# Altium PCB MCH_MAIN.PCBDOC (part 10 of 14) (continued)
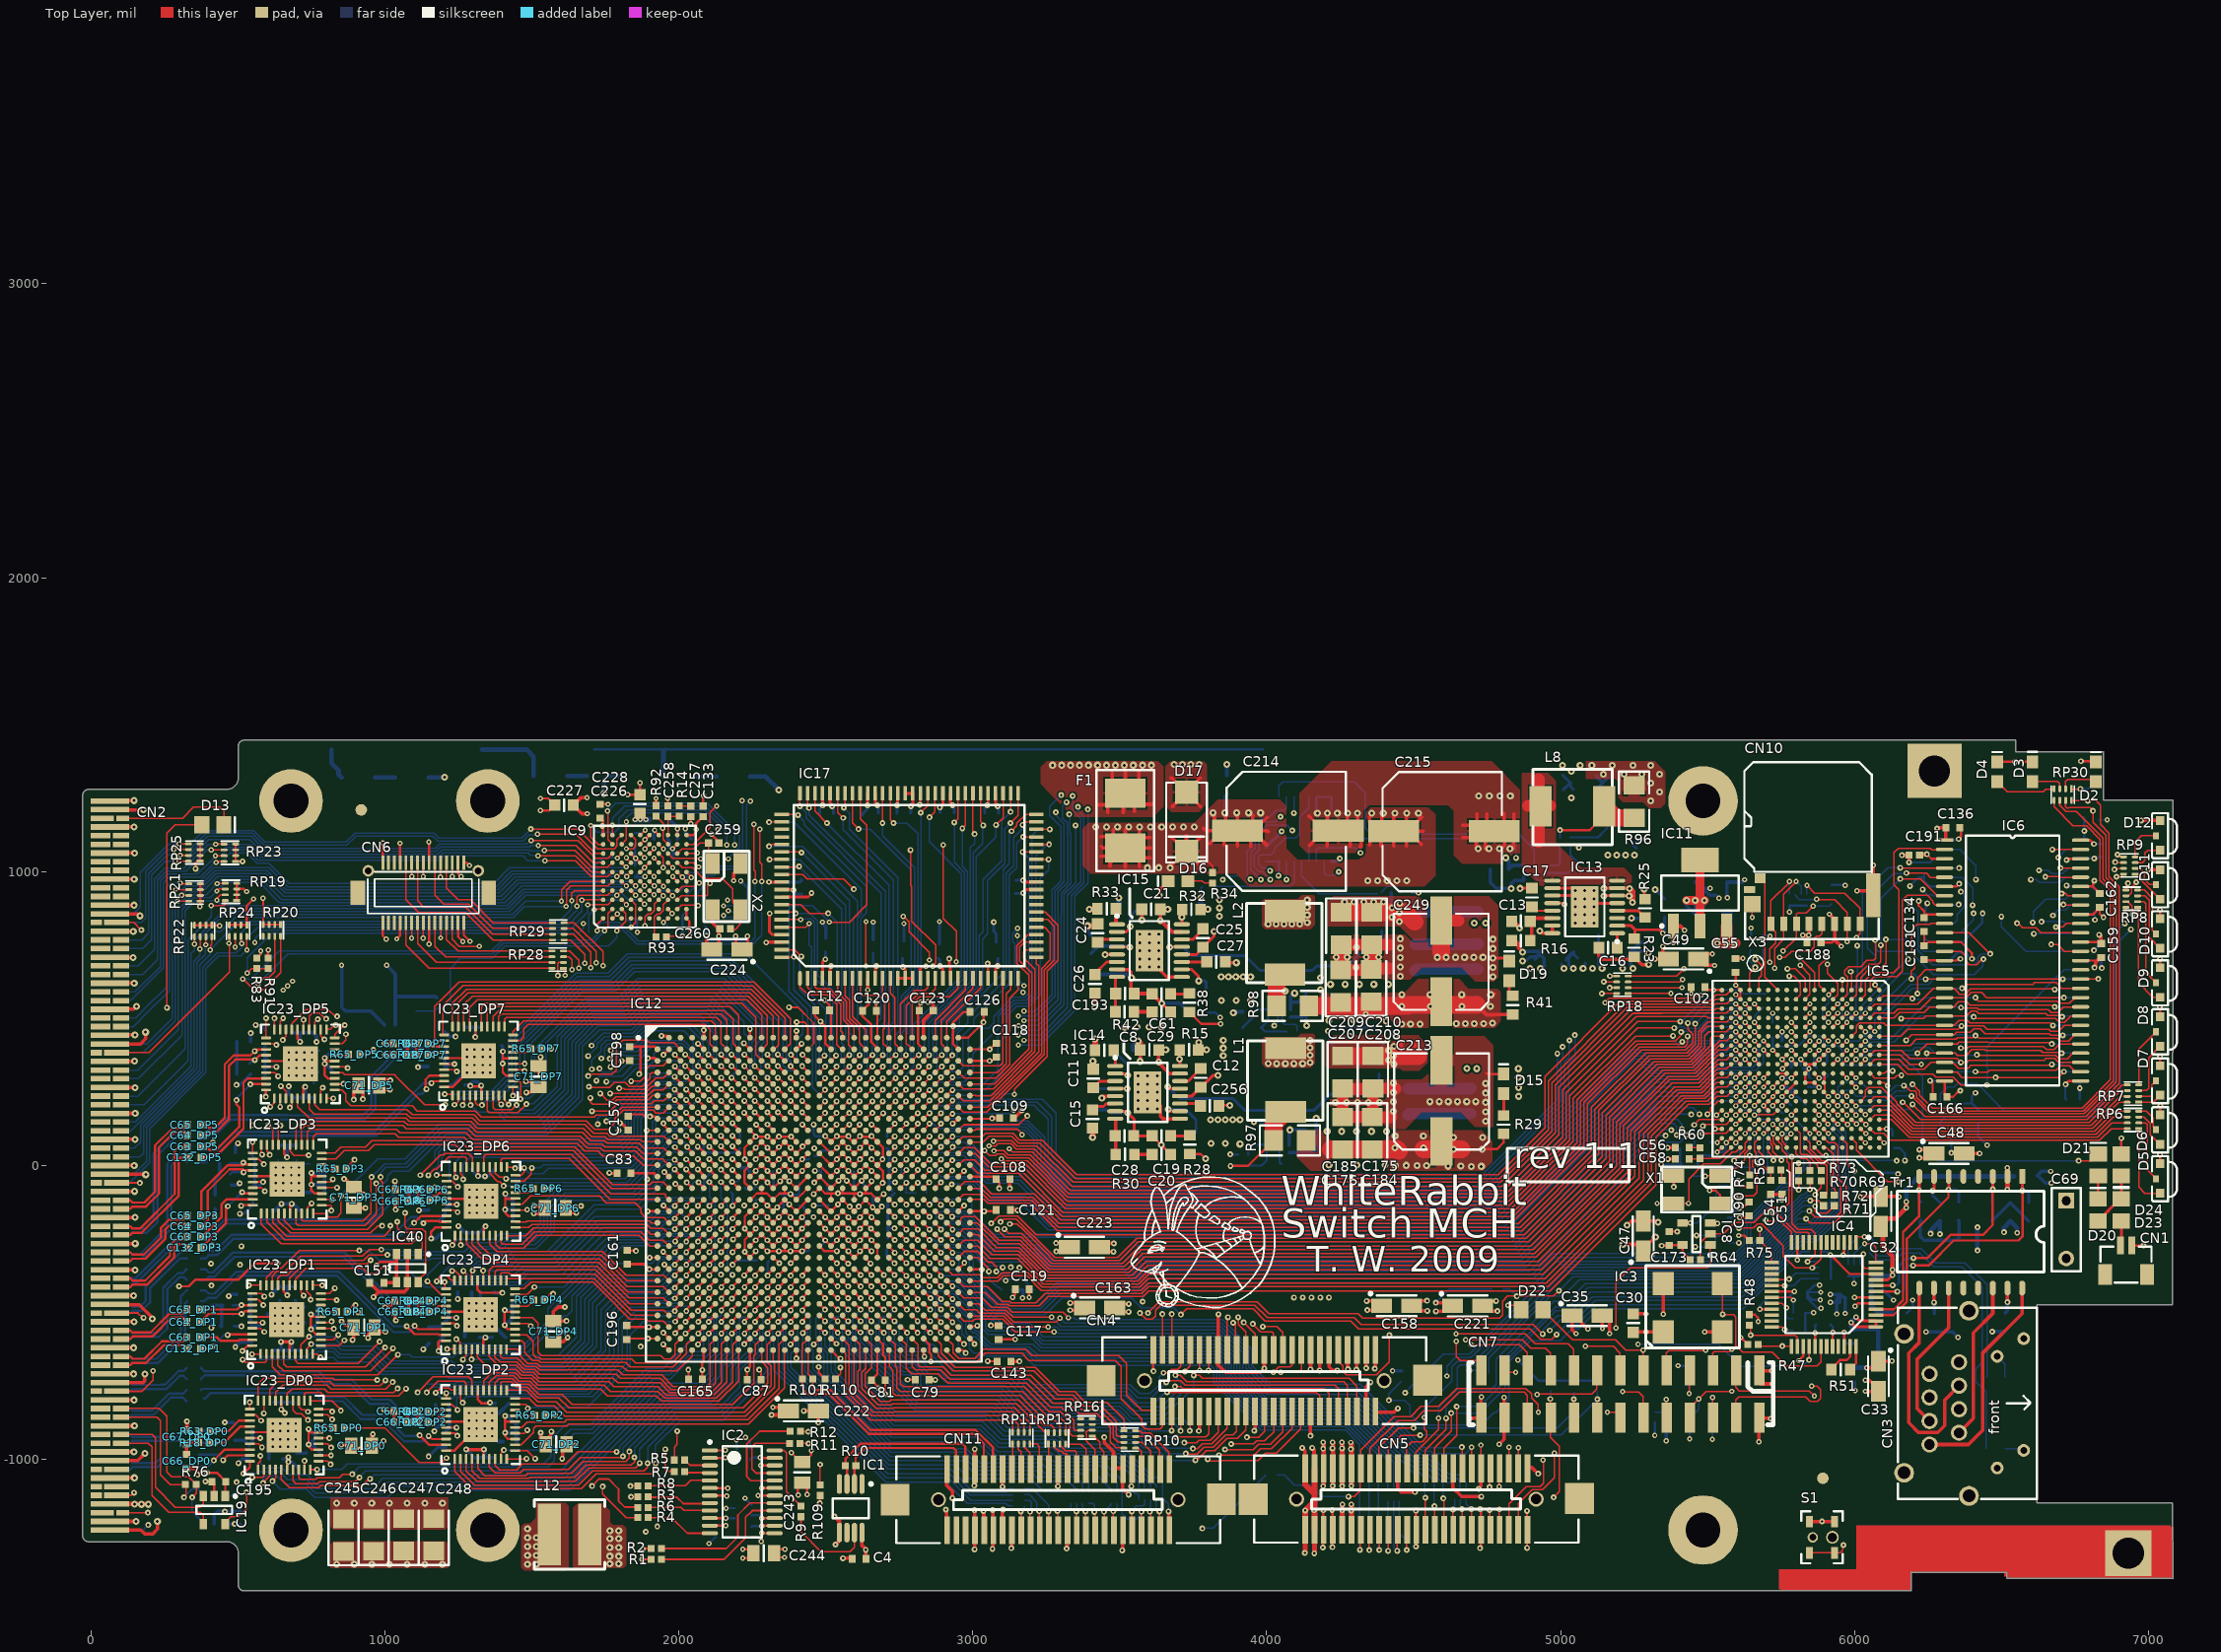
[diagram p0: Top Layer view]
## Nets (pads, with @x,y where several pads share a name; then routed paths per layer and width w, separated by ;. In a path a pad name is that pad's centre, name@x,y a point inside that pad or via, vN(x,y) a via of type N, cw(c..) or ccw(c..) an arc to the next point about the centre after c; other vN are vias at no path point) (continued)
IPMBL_SCL6: CN2.103 IC9.A7 RP25.8 | length 2023.5
  Top Layer w5: v2(287,1034.9) 287.47,1035.37 RP25.8@332.31,1035.37 ; v2(1522,1088.9) 1650,1088.9 1666.5,1072.4 ; 1663,1075.9 1666.5,1072.4 ; IC9.A7@1743,1029.88 1709.02,1029.88 1666.5,1072.4
  Bottom Layer w5: CN2.103@102.37,738.17 176.67,738.17 206.3,767.8 206.3,988.2 253,1034.9 v2(287,1034.9) 326.28,1034.9 400.78,1109.4 541.07,1109.4 581.57,1068.9 1174.69,1068.9 1189.69,1083.9 1492,1083.9 1497,1088.9 v2(1522,1088.9)
IPMBL_SCL7: CN2.100 IC9.A8 RP25.6 | length 1996
  Top Layer w5: v2(283,1074.9) 283.16,1074.74 RP25.6@332.31,1074.74 ; v2(1519,1127.9) 1650,1127.9 1671.5,1106.4 ; 1662,1115.9 1671.5,1106.4 ; IC9.A8@1743,1061.37 1716.53,1061.37 1671.5,1106.4
  Bottom Layer w5: CN2.100@102.37,826.75 172.03,826.75 186.3,841.02 186.3,999.2 262,1074.9 v2(283,1074.9) 338,1074.9 393,1129.9 548.86,1129.9 588.86,1089.9 871.3,1089.9 902.8,1121.4 1163.05,1121.4 1180.55,1103.9 1470.14,1103.9 1490.14,1123.9 1515,1123.9 v2(1519,1127.9)
IPMBL_SDA0: CN2.120 IC9.E3 RP19.7 | length 2446.3
  Top Layer w5: v2@430,900.9 430,908.9 442.16,921.06 RP19.7@457.31,921.06 ; IC9.E3@1868.98,903.89 v2(1884,888.9)
  Bottom Layer w5: CN2.120@102.37,236.2 160.1,236.2 321,397.1 321,866.14 355.76,900.9 v2@430,900.9 ; v2(429,902.9) v2@430.43,901.47 ; v2@430,901.04 v2@430.43,901.47 ; v2(1884,888.9) 1868.5,904.4 1828,904.4 1797,935.4 1750,935.4 1745.5,939.9 1470.72,939.9 1415.63,884.81 447.09,884.81 v2@430.43,901.47
IPMBL_SDA1: CN2.117 IC9.C5 RP19.5 | length 2339.1
  Top Layer w5: v2(430,958.9) 431.53,960.43 RP19.5@457.31,960.43 ; IC9.C5@1805.99,966.88 1805.99,966.32 1822,950.32 v2(1822,950.9)
  Bottom Layer w5: CN2.117@102.37,324.78 160.08,324.78 297,461.7 297,870.42 347.48,920.9 392,920.9 v2(430,958.9) 444,972.9 581.4,972.9 649.49,904.81 1400.42,904.81 1456.6,960.99 1760.91,960.99 1765.25,956.65 1816.25,956.65 v2(1822,950.9) v2@1819,953.9
IPMBL_SDA2: CN2.114 IC9.C6 RP21.7 | length 2271.7
  Top Layer w5: v2(309,919.9) 332.47,919.9 RP21.7@333.31,919.06 ; v2@1790.51,982.9 IC9.C6@1805.99,998.38
  Bottom Layer w5: CN2.114@102.37,413.37 189.47,413.37 277,500.9 277,907.9 289,919.9 v2(309,919.9) 330,940.9 374.52,940.9 426.52,992.9 595,992.9 660.6,927.3 1389.51,927.3 1443.2,980.99 1758.09,980.99 1761,983.9 1764,983.9 ; 1772,983.9 1764,983.9 ; v2(1790,982.9) 1789,983.9 1764,983.9
IPMBL_SDA3: CN2.111 IC9.C7 RP21.5 | length 2266.3
  Top Layer w5: v2(304,960.9) 306.47,958.43 RP21.5@333.31,958.43 ; IC9.C7@1805.99,1029.88 v2@1821.97,1013.9
  Bottom Layer w5: CN2.111@102.37,501.95 152.85,501.95 192.4,541.5 ; 194.4,543.5 192.4,541.5 ; 498,1012.9 489,1012.9 ; 511,1012.9 523,1012.9 ; v2@1820,1015.9 v2@1822,1013.9 ; v2(1821.94,1015.9) 1822,1015.84 v2@1822,1013.9 ; 192.4,541.5 256.3,605.4 256.3,946.2 271,960.9 v2(304,960.9) 366.24,960.9 418.24,1012.9 489,1012.9 ; 489,1012.9 523,1012.9 ; 523,1012.9 605.3,1012.9 669.7,948.5 1378.9,948.5 1431.39,1000.99 1715.09,1000.99 1728,1013.9 v2@1822,1013.9
IPMBL_SDA4: CN2.108 IC9.B6 RP23.7 | length 2125.8
  Top Layer w5: v2(424,1053.9) 424.16,1054.06 RP23.7@447.31,1054.06 ; v2(1545,1036.9) 1568,1036.9 ; 1564,1036.9 1568,1036.9 ; IC9.B6@1774.5,998.38 1773.75,998.38 1758.27,982.9 1702,982.9 1648,1036.9 1568,1036.9
  Bottom Layer w5: CN2.108@102.37,590.53 150.43,590.53 236.3,676.4 236.3,967.34 260.86,991.9 363.28,991.9 424,1052.62 v2(424,1053.9) 443.14,1053.9 462.14,1072.9 535.15,1072.9 569.15,1038.9 1187.12,1038.9 1201.12,1052.9 1471,1052.9 1486.5,1037.4 1544.5,1037.4 v2(1545,1036.9)
IPMBL_SDA5: CN2.105 IC9.B7 RP23.5 | length 2175.6
  Top Layer w5: v2(425,1092.9) 425.53,1093.43 RP23.5@453.31,1093.43 ; v2(1543,1071.9) 1647,1071.9 1704.4,1014.5 1758.37,1014.5 1773.75,1029.88 IC9.B7@1774.5,1029.88
  Bottom Layer w5: CN2.105@102.37,679.11 161.19,679.11 216.3,734.23 216.3,975.63 252.57,1011.9 318,1011.9 399,1092.9 v2(425,1092.9) ; 504,1092.9 v2(425,1092.9) ; 1483,1073.9 1459,1073.9 ; 1525,1070.9 1518,1070.9 ; v2(1543,1071.9) 1542,1070.9 1518,1070.9 ; v2(425,1092.9) 543.43,1092.9 577.43,1058.9 1178.83,1058.9 1193.83,1073.9 1459,1073.9 ; 1459,1073.9 1491,1073.9 1494,1070.9 1518,1070.9
IPMBL_SDA6: CN2.102 IC9.B8 RP25.7 | length 2051.8
  Top Layer w5: v2@305,1056.9 306.84,1055.06 RP25.7@332.31,1055.06 ; v2(1498,1105.9) 1521,1105.9 ; 1515,1105.9 1521,1105.9 ; 1664.86,1098.9 1672.93,1090.83 ; IC9.B8@1774.5,1061.37 1759.12,1046 1717.76,1046 1672.93,1090.83 ; 1521,1105.9 1657.86,1105.9 1672.93,1090.83
  Bottom Layer w5: CN2.102@102.37,767.7 173.2,767.7 196.3,790.8 196.3,993.2 260,1056.9 v2@305,1056.9 ; v2(304,1055.9) 333.14,1055.9 397.14,1119.9 544.72,1119.9 585.72,1078.9 1170.55,1078.9 1185.55,1093.9 1470,1093.9 ; 1479,1093.9 1470,1093.9 ; v2(1498,1105.9) 1494,1105.9 1482,1093.9 1470,1093.9
IPMBL_SDA7: CN2.99 IC9.C10 RP25.5 | length 2056.2
  Top Layer w5: v1(300,1093.9) 300.53,1094.43 RP25.5@332.31,1094.43 ; v1(1497,1144.9) 1657.28,1144.9 1674.64,1127.54 ; 1666.28,1135.9 1674.64,1127.54 ; 1687.28,1114.9 1691.14,1111.04 ; IC9.C10@1805.99,1124.36 1789.87,1108.24 1789.87,1086.5 1780.86,1077.49 1724.69,1077.49 1691.14,1111.04 ; 1674.64,1127.54 1691.14,1111.04
  Bottom Layer w5: CN2.99@102.37,856.28 103.39,857.3 146.18,857.3 168.39,879.51 168.39,996.29 266,1093.9 v1(300,1093.9) 338,1093.9 384,1139.9 553,1139.9 593,1099.9 867.16,1099.9 898.66,1131.4 1167.19,1131.4 1184.69,1113.9 1466,1113.9 1481.5,1129.4 ; 1476.5,1124.4 1481.5,1129.4 ; v1(1497,1144.9) 1481.5,1129.4
IPPS_IN: CN5.35 IC12.AC27 | length 2033.6
  Top Layer w5: IC12.AC27@2951.17,-431.34 2970.53,-450.7 3032.6,-450.7 3064,-482.1 3117.4,-482.1 3134.9,-499.6 3306.5,-499.6 v2(3325,-518.1) ; CN5.35@4665.22,-1027.77 v1@4665.22,-959.72
  Top Layer w8: IC12.AC27@2948.2,-427.48 IC12.AC27@2949.12,-427.48
  Bottom Layer w5: v2(3325,-518.1) 3344.5,-518.1 3351,-524.6 3849.5,-524.6 3949.5,-624.6 3949.5,-680.6 4012.6,-743.7 4318.4,-743.7 4534.07,-959.37 4662.73,-959.37 v1(4663.8,-958.3)
IPPS_OUT: CN5.37 IC12.AD27 | length 2081.5
  Top Layer w5: IC12.AD27@2951.17,-470.71 2970.96,-490.5 3012.8,-490.5 3024.4,-502.1 3109.12,-502.1 3139.62,-532.6 3283.5,-532.6 v2(3297,-519.1) ; CN5.37@4696.72,-1027.77 v2(4696.72,-958.98)
  Bottom Layer w5: v2(3297,-519.1) 3313.2,-535.3 3846.06,-535.3 3939.5,-628.74 3939.5,-684.74 4010.46,-755.7 4313.43,-755.7 4529.1,-971.37 4558.56,-971.37 4567.84,-980.66 4676.6,-980.66 4698.2,-959.06 v2@4698.2,-957.5
IUP0_TD0: IC12.AH17 RP11.8 | length 796.7
  Top Layer w5: IC12.AH17@2557.47,-628.19 2568.1,-638.83 2568.1,-781.5 2652.7,-866.1 3122.2,-866.1 3135.8,-879.7 3135.8,-885.1 ; RP11.8@3135.47,-907.41 3135.8,-907.09 3135.8,-885.1 ; 3135.8,-887.9 3135.8,-885.1
IUP0_TD1: IC12.AG17 RP11.7 | length 842.2
  Top Layer w5: IC12.AG17@2557.47,-588.82 2579.49,-610.85 2579.49,-775.09 2656.3,-851.9 3127.6,-851.9 3155.16,-879.46 RP11.7@3155.16,-907.41
IUP0_TD2: IC12.AH18 RP11.6 | length 798
  Top Layer w5: IC12.AH18@2596.84,-628.19 2596.84,-774.74 2660.7,-838.6 2732.79,-838.6 2733.69,-837.7 3135.4,-837.7 3174.84,-877.14 RP11.6@3174.84,-907.41
IUP0_TD3: IC12.AG18 RP11.5 | length 851.2
  Top Layer w5: IC12.AG18@2596.84,-588.82 2616.4,-608.39 2616.4,-692.7 2609.65,-699.45 2609.65,-764.75 2671.5,-826.6 2727.82,-826.6 2730.52,-823.9 3142,-823.9 3194.53,-876.43 3194.53,-884.04 RP11.5@3194.53,-907.41
IUP0_TD4: IC12.AH19 RP13.8 | length 843.5
  Top Layer w5: IC12.AH19@2636.21,-628.19 2636.21,-689.69 2622.07,-703.83 2622.07,-758.97 2677.7,-814.6 2722.85,-814.6 2727.35,-810.1 2728.2,-810.1 ; 2730.8,-810.1 2728.2,-810.1 ; 3139.4,-810.1 3136.2,-810.1 ; RP13.8@3257.47,-908.41 3255.36,-906.3 3245.05,-906.3 3148.85,-810.1 3136.2,-810.1 ; 2728.2,-810.1 3136.2,-810.1
IUP0_TD5: IC12.AG19 RP13.7 | length 900.1
  Top Layer w5: IC12.AG19@2636.21,-588.82 2656.4,-609.02 2656.4,-686.9 2634.07,-709.23 2634.07,-749.77 2686.9,-802.6 2717.88,-802.6 2722.38,-798.1 3156.8,-798.1 3242,-883.3 3267.4,-883.3 3277.16,-893.06 RP13.7@3277.16,-908.41
IUP0_TD6: IC12.AH21 RP13.6 | length 788.8
  Top Layer w5: IC12.AH21@2714.95,-628.19 2716.1,-629.35 2716.1,-684 2728.6,-696.5 2728.6,-773.7 2738,-783.1 3161.8,-783.1 3247.2,-868.5 3279.6,-868.5 3297.2,-886.1 3297.2,-908.06 RP13.6@3296.84,-908.41
IUP0_TD7: IC12.AG21 RP13.5 | length 845.2
  Top Layer w5: IC12.AG21@2714.95,-588.82 2736.2,-610.08 2736.2,-681.9 2742.6,-688.3 2742.6,-757.7 2753.2,-768.3 3168.6,-768.3 3253.2,-852.9 3292.6,-852.9 3316.4,-876.7 ; 3316.4,-886.7 3316.4,-876.7 ; RP13.5@3316.53,-908.41 3316.4,-908.29 3316.4,-876.7
IUP0_TD8: IC12.AG22 RP16.7 | length 808.3
  Top Layer w5: IC12.AG22@2754.32,-588.82 2773.6,-608.11 2773.6,-689.1 2773.9,-689.4 2792.3,-707.8 2883.5,-707.8 2915.8,-740.1 3182.6,-740.1 3265.8,-823.3 3302,-823.3 3344.6,-865.9 3344.6,-897.1 3348.8,-901.3 3366.96,-901.3 RP16.7@3367.31,-900.94
IUP0_TD9: IC12.AH22 RP16.8 | length 825.4
  Top Layer w5: IC12.AH22@2754.32,-628.19 2754.32,-742.02 2765.2,-752.9 3175.2,-752.9 3259.6,-837.3 3297.8,-837.3 3330.4,-869.9 3330.4,-911.9 3339,-920.5 3347.6,-920.5 3367.19,-920.5 RP16.8@3367.31,-920.63
IUP1_TD0: IC12.AE11 RP12.5 | length 1244.4
  Top Layer w8: v1@2303.45,-531.81 2303.45,-527.88 IC12.AE11@2321.25,-510.08
  Bottom Layer w5: v1(2302.47,-531.81) 2319.97,-549.31 2319.97,-579.67 2323.2,-582.9 2323.2,-608.3 ; 2323.2,-649.1 2323.2,-642.1 ; 2323.2,-639.3 2323.2,-619.3 2323.2,-615.5 2323.2,-608.3 ; RP12.5@3136.31,-1158.63 3121.93,-1158.63 3112.6,-1149.3 2982,-1149.3 2909.4,-1076.7 2704.29,-1076.7 2323.2,-695.61 2323.2,-642.1 ; 2323.2,-642.1 2323.2,-608.3
IUP1_TD1: IC12.AF12 RP12.6 | length 1141.8
  Top Layer w8: v1@2342.82,-569.22 2358.65,-553.39 IC12.AF12@2358.65,-551.42
  Bottom Layer w5: 2337.6,-628.3 2337.6,-631.9 ; 2337.9,-619.3 2337.9,-611.1 ; v1(2337.9,-571.18) 2337.9,-611.1 ; RP12.6@3136.31,-1138.94 3050.96,-1138.94 3050.6,-1139.3 2992.86,-1139.3 2915.66,-1062.1 2706.67,-1062.1 2337.6,-693.03 2337.6,-677.09 2337.6,-631.9 ; 2337.6,-631.9 2337.9,-631.6 2337.9,-611.1
IUP1_TD2: IC12.AE12 RP12.7 | length 1163.2
  Top Layer w8: v1@2340.85,-533.78 2340.85,-529.85 IC12.AE12@2358.65,-512.05
  Bottom Layer w5: v1(2337.9,-531.81) 2354.4,-548.31 2354.4,-612.7 ; 2354.4,-619.3 2354.4,-612.7 ; RP12.7@3136.31,-1119.26 3134.97,-1120.6 2992.34,-1120.6 2921.24,-1049.5 2711.04,-1049.5 2354.4,-692.86 2354.4,-612.7
IUP1_TD3: IC12.AD12 RP12.8 | length 1183.1
  Top Layer w8: v1@2342.82,-492.44 2342.82,-488.51 IC12.AD12@2358.65,-472.68
  Bottom Layer w5: v1(2337.9,-492.44) 2337.9,-508.48 2363.7,-534.28 2363.7,-615.44 2369.98,-621.72 2369.98,-691.47 2711.41,-1032.9 2924,-1032.9 3001.7,-1110.6 3114.3,-1110.6 3125.33,-1099.57 RP12.8@3136.31,-1099.57
IUP1_TD4: IC12.AF13 RP14.5 | length 1281.5
  Top Layer w8: v1@2382.19,-567.25 2398.02,-551.42 IC12.AF13@2398.02,-549.45
  Bottom Layer w5: v1(2382.61,-569.93) 2382.61,-585.31 2397.45,-600.15 2397.45,-624.45 2381.6,-640.3 2381.6,-685.64 2381.6,-686.12 2714.98,-1019.5 2941.8,-1019.5 2988.8,-1066.5 3198.2,-1066.5 3241.11,-1109.41 RP14.5@3334.47,-1109.41
IUP1_TD5: IC12.AE13 RP14.6 | length 1326
  Top Layer w8: v1@2380.22,-531.81 2380.22,-527.88 IC12.AE13@2398.02,-510.08
  Bottom Layer w5: v1(2381.21,-531.81) 2403.84,-554.45 2403.84,-589.05 2406.45,-591.65 2406.45,-622.95 2417,-633.5 2417,-704.55 2716.55,-1004.1 2963,-1004.1 3009.8,-1050.9 3206,-1050.9 3228.7,-1073.6 3325.94,-1073.6 3354.16,-1101.82 RP14.6@3354.16,-1109.41
IUP1_TD6: IC12.AF14 RP14.7 | length 1285.3
  Top Layer w8: v1@2423.53,-567.25 2439.36,-551.42 IC12.AF14@2439.36,-549.45
  Bottom Layer w5: 2421.98,-619.92 v1(2421.98,-569.93) ; 2423,-620.94 2430.8,-628.74 2430.8,-701.38 2719.32,-989.9 2970.08,-989.9 3017.68,-1037.5 3214,-1037.5 3236.2,-1059.7 3350.2,-1059.7 3373.84,-1083.34 RP14.7@3373.84,-1109.41
IUP1_TD7: IC12.AE14 RP14.8 | length 1351.9
  Top Layer w8: v1@2421.56,-531.81 2421.56,-527.88 IC12.AE14@2439.36,-510.08
  Bottom Layer w5: v1(2420.58,-531.81) 2438.48,-549.72 2438.48,-593.01 2433.7,-597.78 2433.7,-618.91 2442.4,-627.61 2442.4,-696.01 2721.89,-975.5 2972.65,-975.5 3022.05,-1024.9 3223.4,-1024.9 3245.4,-1046.9 3370.6,-1046.9 3393.53,-1069.83 RP14.8@3393.53,-1109.41
IUP1_TD8: IC12.AD14 RP17.7 | length 1437.1
  Top Layer w8: v1@2423.53,-490.48 2423.53,-486.54 IC12.AD14@2439.36,-470.71
  Bottom Layer w5: v1(2420.58,-492.44) 2447.48,-519.35 2447.48,-596.73 2442.7,-601.51 2442.7,-615.18 2456.8,-629.28 2456.8,-693.44 2726.86,-963.5 2977.62,-963.5 3025.42,-1011.3 3232.8,-1011.3 3255,-1033.5 3402.53,-1033.5 3470.84,-1101.82 RP17.7@3470.84,-1109.41
IUP1_TD9: IC12.AD15 RP17.8 | length 1452.5
  Top Layer w8: IC12.AD15@2478.73,-470.71 2478.73,-470.87 2496.36,-488.51 v1@2494.39,-488.51
  Bottom Layer w5: v1(2497.35,-490.41) 2466.4,-521.36 2466.4,-585.5 2475.7,-594.8 2475.7,-625.6 2493.3,-643.2 2493.3,-712.49 2493.3,-712.97 2608.91,-828.59 2719.63,-939.3 3013.6,-939.3 3072.6,-998.3 3244.2,-998.3 3267,-1021.1 3432,-1021.1 3490.53,-1079.63 RP17.8@3490.53,-1109.41
IUP_ENABLE0: IC12.AH23 RP10.4 | length 920.9
  Top Layer w5: IC12.AH23@2793.69,-628.19 2793.69,-683.79 2805.9,-696 2891.5,-696 2922.4,-726.9 3191.2,-726.9 3273,-808.7 3327,-808.7 3362.8,-844.5 3422.72,-844.5 3467.19,-888.97 3467.19,-939.45 3488.53,-960.79 3513.48,-960.79 RP10.4@3514.31,-961.63
IUP_ENABLE1: IC12.AD17 RP15.2 | length 1507.6
  Top Layer w8: IC12.AD17@2557.47,-470.71 2557.47,-470.87 v1@2577.07,-490.48
  Bottom Layer w5: v1(2576.09,-490.41) 2553.22,-513.28 2533.82,-513.28 2514.08,-533.02 2514.08,-612.78 2532.05,-630.75 2532.05,-657.2 2532.05,-659.65 2532.05,-700.81 2727.34,-896.1 3024,-896.1 3086.8,-958.9 3271.8,-958.9 3298,-985.1 3476.38,-985.1 3483.78,-992.5 3494.69,-992.5 3584.4,-1082.21 3584.4,-1095.66 RP15.2@3585.16,-1096.41
IUP_LOOPEN0: IC12.AH25 RP10.2 | length 797.1
  Top Layer w5: IC12.AH25@2872.43,-628.19 2882.2,-637.97 2882.2,-647.7 2933.8,-699.3 3207.8,-699.3 3290,-781.5 3340.4,-781.5 3378.4,-819.5 3438.28,-819.5 3488.07,-869.29 3488.07,-916.62 3493.71,-922.26 3498.94,-922.26 RP10.2@3514.31,-922.26
IUP_LOOPEN1: IC12.AF16 RP15.4 | length 1398.2
  Top Layer w8: IC12.AF16@2518.1,-549.45 2521.88,-549.45 v1@2539.67,-567.25
  Bottom Layer w5: v1(2540.65,-569.15) 2540.65,-574.49 2567.6,-601.44 2567.6,-623.2 2602.9,-658.5 2602.9,-737.71 2736.28,-871.1 3034,-871.1 3095.2,-932.3 3282,-932.3 3310.8,-961.1 3486.32,-961.1 3493.72,-968.5 3504.63,-968.5 3623.8,-1087.67 3623.8,-1095.69 RP15.4@3624.53,-1096.41
IUP_PRBSEN0: IC12.AG25 RP10.1 | length 812.6
  Top Layer w5: IC12.AG25@2872.43,-588.82 2892.4,-608.79 2892.4,-638.9 2940.2,-686.7 3212.4,-686.7 3295.4,-769.7 3347,-769.7 3383,-805.7 3456.87,-805.7 3514.31,-863.14 RP10.1@3514.31,-902.57
IUP_PRBSEN1: IC12.AF15 RP15.1 | length 1389.8
  Top Layer w8: IC12.AF15@2478.73,-549.45 2478.73,-551.58 v1@2496.36,-569.22
  Bottom Layer w5: v1(2497.35,-569.15) 2497.35,-613.9 2505.08,-621.63 2505.08,-621.71 2518.68,-635.31 2518.68,-704.41 2725.77,-911.5 3022.2,-911.5 3083.4,-972.7 3262.4,-972.7 3286.8,-997.1 3471.41,-997.1 3478.81,-1004.5 3489.72,-1004.5 3564.8,-1079.58 3564.8,-1095.74 RP15.1@3565.47,-1096.41
IUP_SFP_DETECT0: CN5.30 IC12.AB26 | length 2137.1
  Top Layer w5: CN5.30@4570.73,-1236.43 v1@4570.73,-1158.97
  Top Layer w8: IC12.AB26@2908.83,-392.05 IC12.AB26@2909.75,-392.05 ; IC12.AB26@2911.8,-391.97 v1@2929.59,-409.77
  Bottom Layer w5: v1(2931.4,-410.69) 2946.59,-410.69 3063.5,-527.6 3074.1,-527.6 3096.6,-550.1 3192.77,-550.1 3238.17,-595.5 3835.55,-595.5 3889.5,-649.45 3889.5,-710.06 3995.14,-815.7 4288.58,-815.7 4504.25,-1031.37 4529.07,-1031.37 4570,-1072.3 v1@4570,-1157.7
  other v1: 4571,-1158.7
IUP_SFP_DETECT1: CN5.16 IC12.AC24 | length 2244.1
  Top Layer w5: CN5.16@4348.9,-1237.79 v1(4348.9,-1308.7) v1@4350.76,-1310.56
  Top Layer w8: IC12.AC24@2833.06,-431.34 2836.64,-431.34 v1(2856.4,-451.1)
  Bottom Layer w5: v1(2856.4,-451.1) 2856.4,-454.42 2872.6,-470.62 2872.6,-501.5 2882.8,-511.7 2938.6,-511.7 2964,-537.1 2964,-572.1 2988,-596.1 2988,-622.1 3003.5,-637.6 3183.5,-637.6 3213.4,-667.5 3822.69,-667.5 3829.5,-674.31 3829.5,-734.91 3982.29,-887.7 4269.38,-887.7 4348.2,-966.52 v1@4348.2,-1308.7 ; v1@4348.7,-1308.5 v1(4348.9,-1308.7)
IUP_SFP_LOS0: CN5.28 IC12.AB24 | length 2207.9
  Top Layer w5: CN5.28@4539.24,-1236.43 v1@4539.24,-1130.46
  Top Layer w8: IC12.AB24@2833.06,-391.97 2834.87,-391.97 v1@2852.66,-409.77
  Bottom Layer w5: v1(2852.66,-410.69) 2853.05,-410.69 2869.85,-427.48 2944.38,-427.48 3043,-526.1 3043,-552.1 3053.3,-562.4 3190.92,-562.4 3236.02,-607.5 3833.41,-607.5 3879.5,-653.59 3879.5,-714.2 3993,-827.7 4283.61,-827.7 4499.28,-1043.37 4519.67,-1043.37 4538,-1061.7 4538,-1128.9 v1(4539.4,-1130.3)
IUP_SFP_LOS1: CN5.14 IC12.AE26 | length 2105.4
  Top Layer w5: CN5.14@4317.3,-1237.89 v1(4317.3,-1307.7) v1@4319.26,-1309.66
  Top Layer w8: IC12.AE26@2911.8,-510.08 2911.8,-514.18 v1@2931.4,-533.78
  Bottom Layer w5: v1(2931.4,-532.73) 2951,-552.33 2951,-635.83 2969.37,-654.2 3019.03,-654.2 3026.03,-647.2 3044.53,-647.2 3044.93,-647.6 3175.3,-647.6 3207.2,-679.5 3809.15,-679.5 3819.5,-689.85 3819.5,-739.05 3980.15,-899.7 4267.23,-899.7 4316.8,-949.27 v1@4316.8,-1308.8
IUP_SFP_SCL0: IC12.AD28 RP26.3 | length 1992.4
  Top Layer w5: IC12.AD28@2990.54,-470.71 3020.4,-470.71 3041.79,-492.1 3113.26,-492.1 3137.26,-516.1 v2(3268,-516.1)
  Bottom Layer w5: v2(3268,-516.1) 3277.31,-525.41 ; 3277.69,-525.41 3299.57,-547.3 3843.92,-547.3 3929.5,-632.88 3929.5,-688.88 4008.32,-767.7 4308.46,-767.7 4524.13,-983.37 4553.59,-983.37 4622.66,-1052.44 4654.54,-1052.44 4678.84,-1076.75 RP26.3@4678.84,-1097.41
IUP_SFP_SCL1: IC12.AC25 RP27.3 | length 1977
  Top Layer w8: IC12.AC25@2872.43,-431.34 2872.43,-433.47 v1@2892.03,-453.07
  Bottom Layer w5: v1(2892.03,-453.99) 2908.54,-437.48 2938.23,-437.48 3033.1,-532.36 3033.1,-556.2 3051.5,-574.6 3188.98,-574.6 3233.88,-619.5 3831.26,-619.5 3869.5,-657.74 3869.5,-718.34 3990.86,-839.7 4278.64,-839.7 4451.6,-1012.66 4451.6,-1079.1 ; RP27.3@4451.6,-1101.66 4451.6,-1079.1 ; 4451.6,-1083.1 4451.6,-1079.1
IUP_SFP_SDA0: IC12.AE28 RP26.2 | length 1959.6
  Top Layer w5: IC12.AE28@2990.54,-510.08 2992.56,-512.1 3104.98,-512.1 3141.98,-549.1 v2(3257,-549.1)
  Bottom Layer w5: v2(3257,-549.1) 3284.4,-549.1 3294.6,-559.3 3841.77,-559.3 3919.5,-637.03 3919.5,-697.63 4001.57,-779.7 4303.49,-779.7 4519.16,-995.37 4548.61,-995.37 4617.87,-1064.63 4647.13,-1064.63 4657.4,-1074.9 4657.4,-1095.66 RP26.2@4659.16,-1097.41
IUP_SFP_SDA1: IC12.AC26 RP27.2 | length 1913.2
  Top Layer w8: IC12.AC26@2911.8,-431.34 2911.8,-435.44 v1@2931.4,-455.04
  Bottom Layer w5: v1(2931.4,-453.99) 2932.03,-453.99 2999,-520.96 2999,-551.53 3008.67,-561.2 3015.1,-561.2 3061.5,-607.6 3205.27,-607.6 3229.17,-631.5 3829.12,-631.5 3859.5,-661.88 3859.5,-722.48 3988.72,-851.7 4275.8,-851.7 4431.6,-1007.5 4431.6,-1078.5 ; RP27.2@4431.6,-1101.97 4431.6,-1078.5 ; 4431.6,-1082.5 4431.6,-1078.5
IUP_SFP_TX_DISABLE0: IC12.AE27 RP26.1 | length 1969.4
  Top Layer w5: IC12.AE27@2951.17,-510.08 2970.39,-529.3 2999.9,-529.3 3006.1,-523.1 3101.83,-523.1 3144.83,-566.1 v2(3277,-566.1)
  Bottom Layer w5: v2(3277,-566.1) 3286.8,-566.1 3292,-571.3 3839.63,-571.3 3909.5,-641.17 3909.5,-701.77 3999.43,-791.7 4298.52,-791.7 4514.19,-1007.37 4543.64,-1007.37 4615.39,-1079.11 ; 4621.17,-1079.11 4615.39,-1079.11 ; 4635.8,-1085.5 4629.41,-1079.11 4615.39,-1079.11
IUP_SFP_TX_DISABLE1: IC12.AB23 RP27.1 | length 2045.5
  Top Layer w8: IC12.AB23@2793.69,-391.97 2813.29,-411.58 v1@2813.29,-411.73
  Bottom Layer w5: v1@2819.19,-410.69 2823.26,-410.69 2843.67,-431.1 2860.73,-431.1 2875.53,-445.9 2875.53,-460.83 2885.2,-470.49 2935.8,-470.49 2989,-523.69 2989,-557.1 3002,-570.1 3002,-570.2 3009.96,-570.2 3057.36,-617.6 3193.36,-617.6 3219.26,-643.5 3826.98,-643.5 3849.5,-666.02 3849.5,-726.62 3986.57,-863.7 4273.66,-863.7 4411.6,-1001.64 4411.6,-1071.3 ; RP27.1@4411.47,-1102.41 4411.6,-1102.29 4411.6,-1071.3 ; 4411.6,-1081.1 4411.6,-1071.3
  Bottom Layer w8: v1(2813.29,-410.69) v1@2819.19,-410.69
IUP_SFP_TX_FAULT0: CN5.32 IC12.AB25 | length 2229
  Top Layer w5: CN5.32@4602.23,-1236.43 v1@4602.23,-1133.53
  Top Layer w8: IC12.AB25@2867.49,-390.08 IC12.AB25@2870.38,-390.08 ; IC12.AB25@2872.43,-391.97 2890.06,-409.61 v1@2890.06,-409.77 ; v1@2892.03,-411.73 v1(2892.03,-410.69)
  Bottom Layer w5: v1(2892.03,-410.69) 2908.7,-394.02 2946.92,-394.02 3070,-517.1 3078.8,-517.1 3099.35,-537.65 3194.45,-537.65 3240.31,-583.5 3837.69,-583.5 3899.5,-645.31 3899.5,-705.91 3997.29,-803.7 4293.55,-803.7 4509.22,-1019.37 4538.67,-1019.37 4600.2,-1080.9 4600.2,-1101.1 ; 4600.2,-1111.1 4600.2,-1101.1 ; v1(4601.2,-1132.5) 4600.2,-1131.5 4600.2,-1101.1
IUP_SFP_TX_FAULT1: CN5.18 IC12.AD26 | length 2133.8
  Top Layer w5: v1(4382.9,-1308.1) CN5.18@4382.9,-1237.57
  Top Layer w8: IC12.AD26@2911.8,-470.71 2931.56,-490.48 v1@2933.37,-490.48
  Bottom Layer w5: v1(2931.4,-489.43) 2977,-535.03 2977,-569.1 2991,-583.1 3010,-583.1 3047.36,-620.46 3047.36,-621.74 3053.22,-627.6 3189.22,-627.6 3217.12,-655.5 3824.84,-655.5 3839.5,-670.16 3839.5,-730.77 3984.43,-875.7 4271.52,-875.7 4380.8,-984.98 v1@4380.8,-1307.3 ; v1@4382.7,-1307.9 v1(4382.9,-1308.1)
IUP_SYNC_PASS0: CN11.50 IC12.AE17 | length 1604.8
  Top Layer w8: IC12.AE17@2557.47,-510.08 2557.47,-512.21 v1@2575.1,-529.85
  Top Layer w12: v1(3666,-1176.7) 3667.69,-1178.39 CN11.50@3667.69,-1238.43
  Bottom Layer w5: v1(2576.09,-529.78) 2558.2,-547.67 2558.2,-549.3 2558.2,-579.31 2576.6,-597.71 2576.6,-616.58 2619.06,-659.04 2619.06,-736.91 2738.75,-856.6 3041.7,-856.6 3105.4,-920.3 3290.8,-920.3 3319.6,-949.1 3491.3,-949.1 3498.69,-956.5 3510.6,-956.5 3614.14,-1060.04 3628.6,-1060.04 3645.8,-1077.24 3645.8,-1131.8 3666,-1152 v1(3666,-1176.7)
IUP_SYNC_PASS1: CN11.44 IC12.AE15 | length 1631.9
  Top Layer w5: CN11.44@3573.2,-1238.43 v1@3573.2,-1177.9
  Top Layer w8: IC12.AE15@2478.73,-510.08 2478.73,-510.24 v1@2494.39,-525.91
  Bottom Layer w5: v1(2497.35,-529.78) 2480.85,-546.28 2480.85,-580.79 2484.7,-584.65 2484.7,-617.73 2505.3,-638.33 2505.3,-659.3 2505.3,-708 2722.6,-925.3 3018.8,-925.3 3080.2,-986.7 3254.4,-986.7 3276.8,-1009.1 3444.6,-1009.1 3507.6,-1072.1 3507.6,-1184.3 3526.2,-1202.9 3556.2,-1202.9 3573.6,-1185.5 v1(3573.6,-1177.9)
IUP_SYNCEN0: IC12.AG23 RP10.3 | length 934.5
  Top Layer w5: IC12.AG23@2793.69,-588.82 2814,-609.14 2814,-677.7 2821.2,-684.9 2899,-684.9 2927,-712.9 3198.2,-712.9 3279.6,-794.3 3336.4,-794.3 3372.8,-830.7 3430.08,-830.7 3477.41,-878.03 3477.41,-924.89 3494.46,-941.94 RP10.3@3514.31,-941.94
IUP_SYNCEN1: IC12.AE16 RP15.3 | length 1448.4
  Top Layer w8: IC12.AE16@2518.1,-510.08 2519.91,-510.08 v1@2539.67,-529.85
  Bottom Layer w5: v1(2540.65,-529.78) 2523.92,-546.51 2523.92,-577.09 2536.63,-589.8 2543.23,-589.8 2555.2,-601.77 2555.2,-629.27 2586.83,-660.9 2586.83,-738.62 2654.96,-806.74 2732.11,-883.9 3029.4,-883.9 3090.2,-944.7 3276.2,-944.7 3304.6,-973.1 3481.35,-973.1 3488.75,-980.5 3499.66,-980.5 3605.4,-1086.24 3605.4,-1095.86 RP15.3@3604.84,-1096.41
IWD_IN: CN4.3 IC9.G5 IC12.G21 | length 3758.7
  Top Layer w5: IC9.G5@1931.98,966.88 1948,950.86 v2(1948,949.9) ; IC12.G21@2714.95,198.58 v1@2734.55,218.19 ; v2(2764,846.9) 2765.33,846.9 2783,829.23 2783,794.9 2853,724.9 v2(2853,698.9) ; CN4.3@3645.54,-627.77 3645.54,-506.88 3645.71,-506.81 3646,-506.69 v1@3646,-499.1
  MidLayer1 w5: v2(1948,949.9) 1976,949.9 1990.5,935.4 2180.5,935.4 2188.7,927.2 2355.7,927.2 2397.4,885.5 2527.8,885.5 2565.4,847.9 v2@2763,847.9 ; v1(2737.51,218.19) 2759.12,239.8 2785.7,239.8 2799.2,253.3 2799.2,479.4 2799.2,480.1 2788.8,490.5 2788.8,670.7 2817,698.9 v2(2853,698.9) ; v2@2764,844.9 v2(2764,846.9) v2@2763,847.9 ; v2(3152,781.9) 3086,847.9 v2@2763,847.9 ; v2(3175,611.9) 3224.14,611.9 3257,579.04 3257,-138.47 3481.62,-363.1 3519,-363.1 3645,-489.1 v1(3645,-505.1)
  Bottom Layer w5: v2(3152,781.9) 3152,634.9 v2(3175,611.9)
IWD_OUT: IC9.H4 IC12.F22 | length 1399.3
  Top Layer w5: IC9.H4@1963.47,935.39 1979,919.9 v2(1979,917.9) ; v2(2637,678.9) v2(2637,829.9) ; IC12.F22@2754.32,237.95 v1@2772.94,256.57
  MidLayer1 w5: v2(1979,917.9) 1993,917.9 1999,923.9 2175,923.9 2182,916.9 2350.6,916.9 2392,875.5 2515.45,875.5 2561.05,829.9 v2(2637,829.9) v2@2633.3,833.6 ; v2@1979,919.9 v2@1980,918.9 ; v2(2637,678.9) 2637,632.9 2659.5,610.4 2659.5,596.4 2782.9,473 2782.9,401.62 2790.2,394.32 2790.2,274.82 v1(2772.94,257.56)
IZBT_ADV/LD: IC12.C18 IC17.85 | length 990.9
  Top Layer w5: v1(2307,1085.9) 2307,1084.9 2314.51,1092.41 IC17.85@2350.32,1092.41 ; IC12.C18@2596.84,356.06 v1@2615.46,374.68
  Bottom Layer w5: v1(2307,1085.9) 2307,1084.9 2422.11,1084.9 2607.19,899.83 2607.19,856.77 2594,843.58 2594,479.44 2616.44,457 2616.44,376.65 v1(2615.46,375.67)
IZBT_CEN: IC12.C17 IC17.87 | length 915.8
  Top Layer w5: v1(2308.7,1040.9) 2309.03,1041.23 IC17.87@2350.32,1041.23 ; IC12.C17@2557.47,356.06 2577.07,375.67 v1(2580.02,375.67)
  Bottom Layer w5: v1(2308.7,1040.9) 2411,1040.9 2567.19,884.71 2567.19,431.54 2580.02,418.7 v1(2580.02,375.67) ; v1@2580.6,375.4 2581.86,376.65 v1@2585.93,376.65
IZBT_LBO: IC12.F27 IC17.31 | length 674.6
  Top Layer w5: IC12.F27@2951.17,237.95 2951.17,237.79 2968.35,220.61 3058.93,220.61 3224,385.67 3224,673.43 3224.11,673.54 3224.11,679.25 3216.47,686.9 IC17.31@3216.47,708.56
IZBT_OE: IC12.D17 IC17.86 | length 914.3
  Top Layer w5: IC17.86@2350.32,1066.82 2415.44,1066.82 v1(2417.62,1064.64) ; IC12.D17@2557.47,316.69 2577.07,336.3 v1(2580.02,336.3)
  Bottom Layer w5: v1(2417.62,1064.64) 2581.75,900.52 2581.75,538.95 2581.75,449.18 2596.52,434.4 2596.52,430.55 ; v1(2580.02,336.3) 2596.52,352.8 2596.52,430.55 ; v1@2580.6,336.03 2581.86,337.28 v1@2585.93,337.28 ; 2596.76,430.78 2596.52,430.55
IZBT_RW: IC12.E17 IC17.88 | length 878.9
  Top Layer w5: IC17.88@2350.32,1015.64 2407.99,1015.64 v1(2409.75,1017.4) ; IC12.E17@2557.47,277.32 v1@2577.07,296.93
  Bottom Layer w5: v1(2409.75,1017.4) 2554.55,872.6 2554.55,415.67 2562.22,408 2562.22,330.77 2580.02,312.96 v1(2580.02,296.93)
JTAG_TCK: CN5.17 CN7.18 IC12.P8 R62.1 R79.1 | length 4479.4
  Top Layer w5: CN5.17@4381.76,-1027.77 4381.76,-959.14 4448.3,-892.6 v1@4499.3,-892.6 ; CN7.18@5043.96,-860.1 5043.96,-796.14 v1(5045,-795.1)
  Top Layer w8: v1(2181.75,-55.7) 2181.82,-55.7 IC12.P8@2203.14,-77.01
  MidLayer1 w5: v1(2181.75,-55.7) 2216,-55.7 2259.6,-99.3 2321.4,-99.3 ; 2325.8,-99.3 2321.4,-99.3 ; 2470.4,-579.7 2470.4,-576.8 ; 2522.3,-975.7 2520.35,-973.75 ; v1@4500.5,-893.7 v1(4499.6,-892.8) 4477.6,-914.8 4477.6,-1070.2 4327.52,-1220.28 3987.07,-1220.28 3935.6,-1168.8 3743.6,-1168.8 3706.8,-1205.6 2752.2,-1205.6 2520.35,-973.75 ; 2321.4,-99.3 2329.4,-99.3 2355.6,-125.5 2355.6,-152.7 2362.4,-159.5 2362.4,-225.5 2372.4,-235.5 2429,-235.5 2470.4,-276.9 2470.4,-576.8 ; 2470.4,-576.8 2470.4,-581 2488.25,-598.85 2488.25,-629.75 2498.5,-640 2498.5,-795 2514.3,-810.8 2514.3,-967.7 2520.35,-973.75
  Bottom Layer w5: v1(2181.75,-55.7) 2197.12,-55.7 R79.1@2210,-42.82 ; v1(4499.6,-892.8) 4988.3,-892.8 5045,-836.1 v1(5045,-795.1) R62.1@5045,-770.82
JTAG_TDI: CN7.20 IC12.P7 R77.1 R81.1 | length 4300.9
  Top Layer w5: v1@4965.22,-794.32 4965.22,-860.1 4965.22,-924.32 4996,-955.1 4996,-1109.1 v1(4976,-1129.1)
  Top Layer w8: v1(2143.42,-56.39) 2163.77,-76.73 IC12.P7@2163.77,-77.01
  MidLayer1 w5: v1(2182.8,-371.9) 2204.2,-393.3 2310,-393.3 2321.2,-404.5 2321.2,-427.5 2327.8,-434.1 2351,-434.1 2361.8,-444.9 2361.8,-893.1 2361.8,-928.9 2437.6,-1004.7 2437.6,-1025.5 2689,-1276.9 4828.2,-1276.9 v1(4976,-1129.1)
  Bottom Layer w5: v1(2143.42,-56.39) 2143.42,-110.12 2164.4,-131.1 2164.4,-140.3 ; 2164.4,-346.9 2164.4,-333.3 ; 2164.4,-143.3 2164.4,-140.3 ; v1(2182.8,-371.9) 2164.4,-353.5 2164.4,-333.3 ; v1(4965,-794.1) 4967,-792.1 R77.1@4967,-765.82 ; 2164.4,-333.3 2164.4,-140.3
JTAG_TDO: CN5.15 CN7.22 | length 765.7
  Top Layer w5: CN5.15@4351.52,-1030.77 4351.52,-962.58 4447,-867.1 4502.67,-867.1 4534.67,-835.1 4591.28,-835.1 4655.78,-770.6 4875.5,-770.6 4886.48,-781.58 CN7.22@4886.48,-860.1